# Allegro board LAY-38820_A.brd (continued)
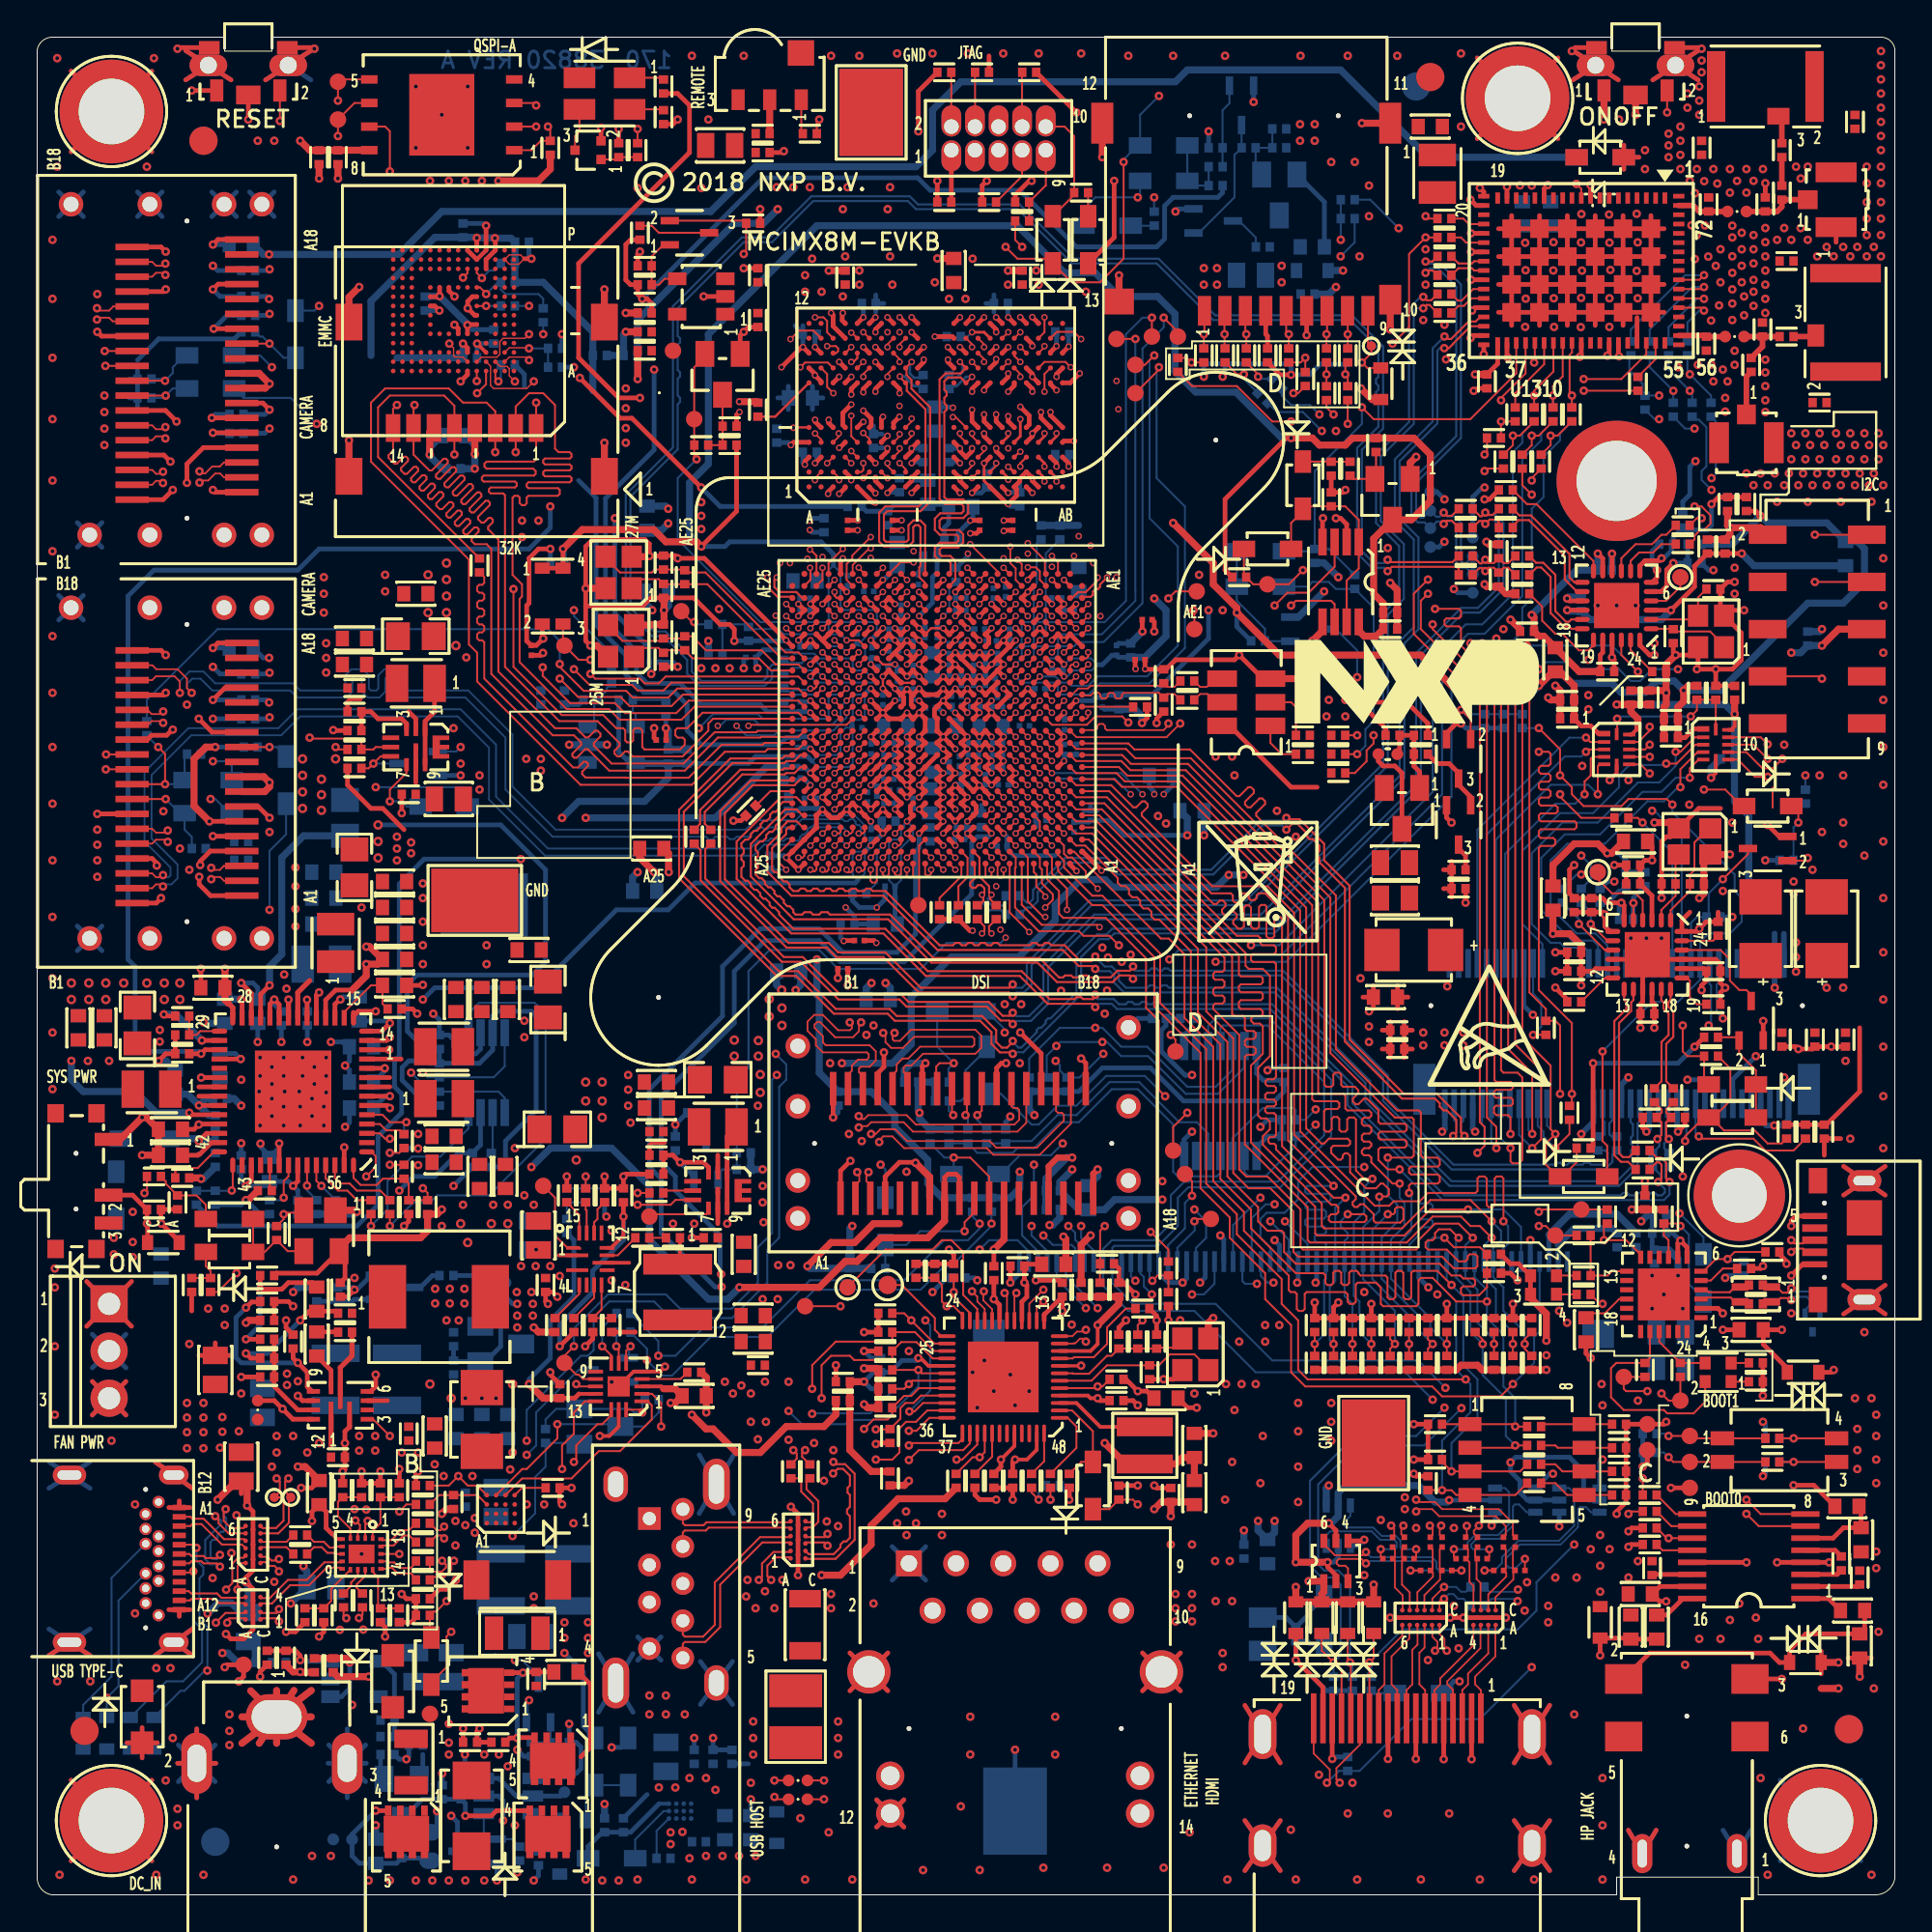
[diagram p0: board, top side]
## Routing (per net, layer and track width the routed paths; a pad name or vN(x,y) marks a point on that pad's centre or on a via; arc(x,y) is an arc through that point) (continued)
I2C3_SDA: length 112.8
  TOP w0.107: U101.E9 v2(51.37,58.43) ; v1(71.06,62.42) R306.2
  L6_INT_2 w0.076: v2(51.37,58.43) 51.7,58.76 52.16,58.76 52.35,58.95 52.35,59.22 52.54,59.41 55.95,59.41 56.93,60.39 61.53,60.39 62.55,59.37 64.83,59.37 67.88,62.42 v1(71.06,62.42)
  L8_INT_3 w0.076: v1(75.12,26.66) 75.12,28.03 76.39,29.3 76.39,32.07 76.77,32.45 76.77,32.96 75.25,34.48 75.25,35.62 75.88,36.26 75.88,39.05 74.74,40.19 74.74,41.85 76.33,43.43 76.33,46.74 76.77,47.18 76.77,51.62 75.5,52.89 75.5,54.16 73.72,55.94 73.72,57.97 71.56,60.13 71.56,61.91 v1(71.06,62.42)
  BOTTOM w0.107: v1(75.12,26.66) 73.65,28.13 65.59,28.13 62.29,31.43 58.74,31.43 57.38,32.79 J1801.51 57.38,34.77 57.85,35.24 60.13,35.24 61.02,36.13 61.02,37.65 61.76,38.39 66.79,38.39 69.28,40.88 69.28,43.75 66.23,46.8 63.82,46.8 63.69,46.67 U1501.11
ILIM: length 3.5
  TOP w0.107: R924.1 21.64,21.52 R925.1 23.7,21.52 U906.A3
ILIM_5V_VBUS: length 1.7
  TOP w0.107: v1(31.94,29.53) 31.71,29.29 U907.6
  BOTTOM w0.107: v1(31.94,29.53) 31.86,29.44 Q905.2
IPOD_NRST: length 58
  TOP w0.107: J801.8 95.95,65.59 v1(96.07,65.47)
  L8_INT_3 w0.076: v1(70.17,88.2) 71.18,87.18 71.18,84.64 74.61,81.22 74.61,79.06 75.37,78.29 75.37,76.14 76.26,75.25 76.26,70.93 77.61,69.58 80.53,69.58 80.96,69.15 80.96,68.26 82.74,66.48 82.74,63.82 86.8,59.75 87.18,59.75 87.82,59.12 89.22,59.12 89.47,58.86 93.79,58.86 v1(95.19,60.26) 96.07,61.15 v1(96.07,65.47)
  BOTTOM w0.107: R844.1 v1(95.19,60.26) ; v1(70.17,88.2) 70.92,88.96 R310.2
IR_CAP: length 81.2
  TOP w0.107: U101.L7 v2(52.67,61.68) ; R1615.1 41.97,95.43 v1(42.1,95.57)
  L6_INT_2 w0.076: v1(42.1,95.57) 45.15,98.61 56.32,98.61 63.69,91.25 70.17,91.25 73.89,87.53 73.89,78.59 72.2,76.9 72.2,68.77 67.12,63.69 58.1,63.69 57.29,62.88 55.87,62.88 55.74,63 53.48,63 53,62.52 53,62.01 v2(52.67,61.68)
JTAG_MOD: length 8.5
  TOP w0.107: U101.U7 v2(52.67,66.23)
  BOTTOM w0.102: R410.1 54.3,72.21 54.3,68.7 54.1,68.51 53.84,68.51 53.65,68.32 53.65,67.4 53.46,67.21 53.2,67.21 53,67.02 53,66.56 v2(52.67,66.23)
JTAG_NTRST: length 41.5
  TOP w0.107: U101.U6 v2(52.67,65.58) ; v1(53.02,88.71) 52.65,89.08 R418.2 ; TP402.1 60.39,82.1 v1(60.39,82.23)
  L8_INT_3 w0.076: v1(60.39,82.23) 60.64,82.49 60.64,83.37 55.31,88.71 v1(53.02,88.71)
  BOTTOM w0.102: 57.21,65.21 56.61,64.61 55.14,64.61 54.95,64.8 54.95,65.07 54.76,65.26 53,65.26 v2(52.67,65.58)
  BOTTOM w0.107: v1(60.39,82.23) 60.26,82.1 60.26,76.26 61.78,74.74 61.78,67.12 59.88,65.21 57.21,65.21
JTAG_TCK: length 58.4
  TOP w0.107: v1(60.13,82.87) 59.63,82.36 TP405.1 ; U101.T5 v2(53.97,65.58) ; J401.4 50.49,95.19 R408.1
  L6_INT_2 w0.076: v1(60.13,82.87) 59.24,82.87 58.61,83.5 58.61,84.39 58.86,84.64 58.86,87.44 55.82,90.49 48.45,90.49 46.93,92.01 46.93,95.95 47.81,96.84 50.1,96.84 50.48,96.46 J401.4
  BOTTOM w0.102: v2(53.97,65.58) 54.81,65.58 55.14,65.26 55.52,65.26 55.69,65.09 56.58,65.09
  BOTTOM w0.107: 56.58,65.09 57.09,65.59 59.75,65.59 61.4,67.25 61.4,72.58 59.88,74.1 59.88,82.61 v1(60.13,82.87)
JTAG_TDI: length 43.6
  TOP w0.107: R403.2 53.02,98.09 53.02,95.19 J401.8 ; TP403.1 v1(60.01,84.9) ; U101.W5 v2(53.97,67.53)
  L6_INT_2 w0.076: v1(60.01,84.9) 60.01,87.95 55.43,92.52 55.43,96.33 55.05,96.71 53.15,96.71 53.02,96.58 J401.8
  BOTTOM w0.102: v2(53.97,67.53) 54.3,67.86 54.3,68.32 54.49,68.51 57.46,68.51 58.61,69.66 58.61,70.29
  BOTTOM w0.107: v1(60.01,84.9) 59.5,84.9 58.61,84.01 58.61,70.29
JTAG_TDO: length 44.4
  TOP w0.107: U101.U5 v2(53.97,66.23) ; TP406.1 61.4,84.14 v1(60.64,84.9)
  L6_INT_2 w0.076: v1(60.64,84.9) 60.64,88.07 56.58,92.14 56.58,96.07 55.56,97.09 52.26,97.09 51.75,96.58 J401.6
  BOTTOM w0.102: v2(53.97,66.23) 54.3,66.56 54.76,66.56 54.95,66.75 54.95,67.02 55.15,67.21 55.82,67.21 56.05,67.44 57.41,67.44
  BOTTOM w0.107: v1(60.64,84.9) 60.64,84.38 59.5,83.24 59.5,69.53 57.41,67.44
JTAG_TMS: length 48
  TOP w0.107: R402.2 49.21,95.19 J401.2 ; TP404.1 v1(59.12,83.76) ; U101.V5 v2(53.32,66.23)
  L6_INT_2 w0.076: J401.2 48.32,95.19 47.56,94.42 47.56,92.26 48.58,91.25 55.82,91.25 59.37,87.69 59.37,84.01 v1(59.12,83.76)
  BOTTOM w0.102: 59.12,70.17 59.12,69.66 57.32,67.86 55.14,67.86 54.95,67.67 54.95,67.38 54.78,67.21 53.84,67.21 53.65,67.02 U101.V5 v2(53.32,66.23)
  BOTTOM w0.107: v1(59.12,83.76) 59.12,70.17
LED_ACT: length 47.9
  TOP w0.107: U1201.23 50.21,31.33 49.34,32.19 v1(49.34,32.45) C1217.1 ; R1202.1 v1(39.69,6.16) ; v1(57.47,36) 57.22,35.76 R1216.1 57.21,33.97 R1215.1
  L8_INT_3 w0.076: v1(57.47,36) 57.21,35.75 57.21,35.11 55.69,33.59 50.48,33.59 v1(49.34,32.45) 48.96,32.45 48.45,31.94 48.45,30.8 47.94,30.29 46.54,30.29 46.04,29.78 46.04,22.92 44.77,21.65 44.77,18.86 44,18.1 44,14.96 39.69,10.64 v1(39.69,6.16)
LED_LINK10_100: length 55.3
  TOP w0.107: C1219.1 46.67,31.3 v1(47.05,30.92) 48.3,29.68 U1201.26
  L8_INT_3 w0.076: J1201.14 57.46,2.48 41.46,2.48 39.18,4.76 39.18,10.86 43.5,15.18 43.5,18.22 44.39,19.11 44.39,21.91 45.66,23.18 45.66,30.03 46.54,30.92 v1(47.05,30.92)
LED_LINK1000: length 36
  TOP w0.107: R1221.1 C1218.1 48.7,32.84 48.7,31.94 v1(48.96,31.69) 49.34,31.69 49.81,31.22 U1201.24 ; R1203.1 39.81,5.14 v1(39.69,5.27)
  L8_INT_3 w0.076: v1(48.96,31.69) 48.96,30.67 48.2,29.91 46.8,29.91 46.42,29.53 46.42,22.54 45.15,21.27 45.15,18.61 44.51,17.97 44.51,14.75 40.19,10.43 40.19,5.78 v1(39.69,5.27)
LINEVDD: length 4.4
  TOP w0.254: U1101.6 96.67,19.2 97.23,19.76 C1101.1 98.18,20.8 L1104.1
LINK / ACTIVE: length 20.2
  TOP w0.107: R1203.2 v1(42.35,5.14)
  L8_INT_3 w0.076: J1201.13 55.94,2.98 44.51,2.98 v1(42.35,5.14)
LINKACT: length 4.6
  TOP w0.107: R1202.2 v1(42.35,6.16)
  L8_INT_3 w0.076: 45.92,6.41 42.61,6.41 v1(42.35,6.16)
M2_I2C_SCL: length 228.6
  TOP w0.107: J1502.B11 v1(3.63,83.1)
  L6_INT_2 w0.076: v1(68.82,42.28) 83.04,42.28 85.91,45.15 87.69,45.15 89.85,47.31 90.61,47.31 v1(90.74,47.18) 90.99,46.93 90.99,44.77 88.33,42.1 86.8,42.1 85.26,40.55 85.26,31.33 93.41,23.18 93.41,20.51 91.5,18.6 88.96,18.6 84.06,13.7 43.42,13.7 40.83,11.11 40.83,10.1 38.75,8.01 37.86,8.01 37.4,7.56 32.96,7.56 31.81,8.7 29.91,8.7 28.61,9.99 25.56,9.99 24.07,11.49 22.67,11.49 11.8,22.36 11.8,24.78 9.97,26.61 9.97,27.11 7.05,30.03 7.05,32.32 5.65,33.72 5.65,35.24 4.25,36.64 4.25,43.75 3.24,44.77 3.24,49.47 3.85,50.08 3.85,58.25 2.86,59.24 2.86,62.8 3.87,63.82 3.87,76.77 3.11,77.53 3.11,82.58 v1(3.63,83.1)
  BOTTOM w0.107: J1401.60 90.53,49.12 90.41,49.01 90.41,47.51 v1(90.74,47.18) ; v1(68.82,42.28) 68.26,41.72 R1523.2 67.75,42.23 67.63,42.35 65.98,42.35 64.34,40.72 U1501.3
M2_I2C_SDA: length 224.3
  TOP w0.107: J1502.B10 v1(3.67,82.3)
  L6_INT_2 w0.076: v1(68.82,41.46) 69.2,41.85 83.63,41.85 85.28,43.5 86.42,43.5 89.72,46.8 v1(89.98,46.8) 90.49,46.29 90.49,44.89 88.33,42.73 86.8,42.73 84.9,40.83 84.9,31.18 90.87,25.21 90.87,23.68 92.65,21.91 92.65,20.38 91.76,19.49 89.22,19.49 83.76,14.03 43.24,14.03 40.07,10.86 39.31,10.86 38.04,9.59 38.04,8.83 37.15,7.94 33.08,7.94 31.69,9.33 29.91,9.33 28.26,10.98 25.21,10.98 24.07,12.13 22.54,12.13 16.45,18.22 16.45,19.11 14.67,20.89 13.78,20.89 12.18,22.49 12.18,24.94 10.37,26.75 10.37,28.24 7.68,30.92 7.68,32.32 6.03,33.97 6.03,35.24 4.63,36.64 4.63,47.05 4.2,47.48 4.2,49.77 4.15,49.82 4.15,58.58 3.24,59.5 3.24,62.61 4.25,63.63 4.25,81.72 v1(3.67,82.3)
  BOTTOM w0.107: v1(68.82,41.46) 68.19,40.83 R1522.2 67.75,40.32 66.13,38.7 65.19,38.7 64.99,38.89 U1501.2 ; v1(89.98,46.8) 90.11,46.93 90.11,48.96 90.03,49.04 J1401.58
M2_PCM_CLK: length 16.2
  TOP w0.107: U1402.2 83.61,62.06 v1(83.37,62.29)
  BOTTOM w0.107: J1401.8 77.53,57.33 82.49,62.29 v1(83.37,62.29)
M2_PCM_IN: length 15.5
  TOP w0.107: U1402.5 84.12,60.86 84.01,60.75 v1(84.01,59.24)
  BOTTOM w0.107: v1(84.01,59.24) 83.5,59.75 81.47,59.75 78.53,56.81 J1401.12
M2_PCM_OUT: length 14.3
  TOP w0.107: v1(83.3,59.24) 83.3,59.93 83.63,60.26 83.63,61.15 83.74,61.26 U1402.4
  BOTTOM w0.107: v1(83.3,59.24) 82.79,58.74 81.72,58.74 79.03,56.04 J1401.14
M2_PCM_SYNC: length 15.2
  TOP w0.107: U1402.3 83.5,61.66 v1(83.37,61.53)
  BOTTOM w0.107: v1(83.37,61.53) 83.12,61.28 82.23,61.28 78.03,57.07 J1401.10
M2_SD_CLK: length 54.1
  TOP w0.107: v1(74.87,70.8) 74.1,70.04 74.1,67.88 77.66,64.32 77.66,41.59 77.91,41.34 77.91,40.32 v1(77.53,39.94) ; v1(67.63,80.83) 67.87,80.83 R1429.2
  L8_INT_3 w0.076: v1(67.63,80.83) 69.15,82.36 70.67,82.36 72.03,81.01 72.91,81.01 73.75,80.17 73.75,76.62 74.48,75.88 74.48,71.18 v1(74.87,70.8)
  BOTTOM w0.107: J1401.9 77.78,41.48 77.91,41.34 77.91,40.32 v1(77.53,39.94)
M2_SD_CMD: length 54.4
  TOP w0.107: v1(78.55,40.19) 78.55,41.34 78.04,41.85 78.04,64.58 74.48,68.13 74.48,69.66 v1(74.87,70.04)
  L8_INT_3 w0.076: v1(74.87,70.04) 74.05,70.85 74.05,75.3 73.37,75.98 73.37,78.63 73.29,78.71 72.91,78.71 72.83,78.78 72.83,79.14 72.91,79.21 73.12,79.21 73.21,79.31 73.21,79.97 72.85,80.33 72.38,80.33 72.29,80.24 72.29,79.65 72.2,79.56 71.9,79.56 71.81,79.65 71.81,80.24 71.46,80.58 69.91,80.58 v1(69.02,79.69)
  BOTTOM w0.107: R1430.2 67,80.7 67.5,80.2 68.52,80.2 v1(69.02,79.69) ; J1401.11 78.28,40.47 v1(78.55,40.19)
M2_SD_DAT0: length 54.1
  TOP w0.107: v1(79.31,40.19) 79.31,39.49 79.42,39.38 79.77,39.38 79.95,39.56 79.95,44 79.69,44.26 78.93,44.26 78.8,44.39 78.8,65.09 76.64,67.25 76.64,68.18 76.54,68.28 75.86,68.28 75.75,68.39 75.75,68.6 75.86,68.71 76.54,68.71 76.64,68.82 76.64,69.12 76.54,69.23 v1(75.25,69.23) ; v1(69.79,79.69) 69.4,80.07 R1431.2
  L8_INT_3 w0.076: v1(69.79,79.69) 70.93,79.69 71.74,78.88 71.85,78.88 71.93,78.96 72.04,78.96 72.15,78.85 72.15,78.74 72.07,78.66 72.07,78.55 72.18,78.45 72.28,78.45 72.37,78.53 72.47,78.53 72.58,78.42 72.58,78.31 72.5,78.23 72.5,78.12 72.96,77.66 72.96,75.75 73.67,75.04 73.67,74.67 73.6,74.59 73.42,74.59 73.34,74.52 73.34,74.37 73.42,74.29 73.6,74.29 73.67,74.21 73.67,70.47 74.92,69.23 v1(75.25,69.23)
  BOTTOM w0.107: v1(79.31,40.19) 78.78,40.73 J1401.13
M2_SD_DAT1: length 54
  TOP w0.107: R1432.2 v1(70.55,79.18) ; v1(75.12,68.39) 75.12,68.13 78.45,64.81 78.45,43.87 78.55,43.76 79.33,43.76 79.44,43.65 79.44,43.44 79.33,43.33 78.53,43.33 78.42,43.23 78.42,43.01 78.53,42.91 79.33,42.91 79.44,42.8 79.44,42.59 79.33,42.48 78.53,42.48 78.42,42.37 78.42,42.1 78.55,41.97 79.18,41.97 79.31,41.85 v1(79.31,40.96)
  L8_INT_3 w0.076: v1(70.55,79.18) 70.55,78.42 70.75,78.22 70.87,78.22 71.25,78.61 71.38,78.61 71.51,78.48 71.51,78.35 71.12,77.97 71.12,77.85 71.25,77.72 71.38,77.72 71.76,78.1 71.88,78.1 72.01,77.98 72.01,77.85 71.63,77.47 71.63,77.34 71.75,77.22 71.88,77.22 72.26,77.6 72.39,77.6 72.51,77.47 72.51,77.35 72.13,76.97 72.13,76.42 72.05,76.34 71.77,76.34 71.69,76.27 71.69,75.99 71.77,75.91 72.18,75.91 72.26,75.84 72.26,75.56 72.18,75.48 71.77,75.48 71.69,75.4 71.69,75.12 71.77,75.05 72.02,75.05 73.29,73.77 73.29,70.22 v1(75.12,68.39)
  BOTTOM w0.107: J1401.15 79.28,40.99 v1(79.31,40.96)
M2_SD_DAT2: length 56.5
  TOP w0.107: v1(80.48,40.19) 80.96,40.68 80.96,44.39 79.56,45.78 79.56,65.72 v1(78.68,66.61) ; v1(67.5,79.31) 66.48,79.31 64.58,81.22 62.17,81.22 R1433.2
  L8_INT_3 w0.076: v1(78.68,66.61) 75.75,66.61 71.56,70.8 71.56,73.72 69.91,75.37 69.91,76.26 68.39,77.79 68.39,78.42 v1(67.5,79.31)
  BOTTOM w0.107: v1(80.48,40.19) 79.78,40.9 J1401.17
M2_SD_DAT3: length 54.1
  TOP w0.107: v1(80.48,40.96) 80.48,44.23 79.18,45.53 79.18,65.34 v1(77.15,67.37)
  L8_INT_3 w0.076: v1(77.15,67.37) 76.42,67.37 76.34,67.45 76.34,67.68 76.26,67.75 75.99,67.75 75.91,67.68 75.91,67.45 75.83,67.37 75.48,67.37 72.07,70.78 72.07,73.85 71.06,74.87 71.06,76.01 70.73,76.34 70.73,76.47 71.23,76.97 71.23,77.1 71.11,77.23 70.98,77.23 70.47,76.72 70.35,76.72 70.22,76.84 70.22,76.97 70.73,77.48 70.73,77.6 70.61,77.73 70.48,77.73 69.97,77.22 69.85,77.22 69.72,77.35 69.72,77.47 70.23,77.98 70.23,78.11 70.1,78.23 69.98,78.23 69.47,77.72 69.34,77.72 69.15,77.91 69.15,78.04 v1(69.15,78.8)
  BOTTOM w0.107: R1434.2 66.74,79.82 68.13,79.82 v1(69.15,78.8) ; J1401.19 80.28,41.16 v1(80.48,40.96)
M2_SD_NRST: length 84.2
  TOP w0.107: R1464.2 82.87,39.44 82.1,38.67 D1404.A 81.85,38.67 81.22,39.31 81.22,40.45 v1(81.72,40.96) 81.47,41.21 81.47,44.64 79.95,46.16 79.95,66.1 v1(79.44,66.61)
  L8_INT_3 w0.076: v1(60.13,91.38) 60.13,90.62 60.04,90.53 59.46,90.53 59.37,90.44 59.37,90.18 59.46,90.09 60.06,90.09 60.13,90.01 60.13,89.72 60.06,89.64 59.46,89.64 59.37,89.56 59.37,89.29 59.46,89.2 60.04,89.2 60.13,89.11 60.13,88.87 60.04,88.78 59.46,88.78 59.37,88.69 59.37,88.42 59.46,88.34 60.04,88.34 60.13,88.25 60.13,87.98 60.04,87.89 59.46,87.89 59.37,87.8 59.37,87.54 59.46,87.45 60.04,87.45 60.13,87.36 60.13,86.18 61.28,85.03 61.28,82.61 63.18,80.71 64.45,80.71 68.08,77.08 68.08,76.95 67.35,76.22 67.35,76.04 67.54,75.84 67.72,75.84 68.53,76.65 68.64,76.65 68.91,76.38 68.91,76.27 68.35,75.71 68.35,75.53 68.54,75.35 68.71,75.35 69.14,75.78 69.25,75.78 69.5,75.53 69.5,75.42 69.07,75 69.07,74.82 69.25,74.64 69.43,74.64 69.67,74.87 69.78,74.87 71.06,73.6 71.06,72.01 70.98,71.93 70.37,71.93 70.29,71.86 70.29,71.58 70.37,71.5 70.98,71.5 71.06,71.42 71.06,71.17 70.48,70.59 70.48,70.49 70.59,70.38 70.7,70.38 71.04,70.71 71.14,70.71 71.25,70.61 71.25,70.5 70.91,70.16 70.91,70.05 71.02,69.95 71.13,69.95 71.47,70.28 71.57,70.28 75.75,66.1 78.93,66.1 v1(79.44,66.61)
  BOTTOM w0.107: R1436.2 60.13,90.61 v1(60.13,91.38) ; J1401.23 81.28,41.41 v1(81.72,40.96)
M2_SD_WAKE: length 4.6
  TOP w0.107: R1435.2 82.49,40.96 v1(81.72,40.19)
  BOTTOM w0.107: v1(81.72,40.19) 81.09,40.83 81.09,41.08 80.78,41.4 J1401.21
M2_UART_CTS: length 18.6
  TOP w0.107: v1(88.45,59.63) 88.45,60.59 89.38,61.51 U1403.4
  BOTTOM w0.107: J1401.36 84.53,51.11 83.88,51.75 82.87,51.75 81.47,53.15 81.47,55.69 82.36,56.58 84.39,56.58 86.68,58.86 87.57,58.86 88.33,59.63 v1(88.45,59.63)
M2_UART_RTS: length 18.8
  TOP w0.107: v1(88.96,60.13) 88.96,60.64 89.43,61.11 U1403.5
  BOTTOM w0.107: v1(88.96,60.13) 88.2,60.13 87.44,59.37 86.42,59.37 84.14,57.09 82.23,57.09 80.96,55.82 80.96,53.02 82.61,51.37 83.76,51.37 84.03,51.1 J1401.34
M2_UART_RXD: length 19
  TOP w0.107: v1(87.69,60.9) 88.25,60.9 89.27,61.91 U1403.3
  BOTTOM w0.107: v1(87.69,60.9) 87.62,60.82 85.71,60.82 85.15,60.26 85.15,59.63 83.76,58.23 81.98,58.23 79.95,56.2 79.95,52.26 81.03,51.18 J1401.22
M2_UART_TXD: length 20.4
  TOP w0.107: v1(88.2,61.53) 88.45,61.53 89.24,62.31 U1403.2
  BOTTOM w0.107: v1(88.2,61.53) 88.2,60.77 87.31,59.88 86.17,59.88 84.01,57.72 82.1,57.72 80.45,56.07 80.45,52.26 81.47,51.24 81.98,51.24 82.23,50.99 83.29,50.99 83.53,50.76 J1401.32
M2_USB_DN: length 41.6
  TOP w0.114: v1(76.83,40.85) 76.64,41.04 76.64,41.82 75.35,43.12 73.57,43.12 70.65,46.04 70.65,54.32 69.28,55.69 69.28,56.58 67.96,57.9 67.32,57.9 v1(67.25,57.97)
  BOTTOM w0.114: R1417.2 53.27,53.4 53.42,53.4 53.61,53.59 53.61,54.09 55.33,55.82 57.57,55.82 58.21,55.18 63.2,55.18 65.84,57.82 67.09,57.82 v1(67.25,57.97) ; J1401.5 76.78,41.67 76.65,41.55 76.65,41.03 v1(76.83,40.85)
M2_USB_DP: length 41.6
  TOP w0.114: v1(67.25,57.34) 67.55,57.64 67.85,57.64 68.37,57.12 68.37,56.95 68.49,56.83 68.66,56.83 69.02,56.47 69.02,56.2 68.94,56.11 68.94,55.9 69.02,55.82 69.02,55.58 70.4,54.21 70.4,45.94 73.47,42.86 75.25,42.86 75.5,42.61 75.5,42.43 75.7,42.23 75.88,42.23 76.39,41.72 76.39,41.02 76.35,40.98 v1(76.22,40.85)
  BOTTOM w0.114: R1418.2 53.27,53.15 53.52,53.15 53.86,53.49 53.86,53.99 55.43,55.56 57.47,55.56 58.1,54.93 63.31,54.93 65.95,57.57 67.02,57.57 v1(67.25,57.34) ; J1401.3 76.28,41.71 76.4,41.58 76.4,41.03 v1(76.22,40.85)
MDC: length 4.2
  TOP w0.107: R1209.2 55.94,24.06 55.94,25.21 55.48,25.68 U1201.1
MDIO: length 2.5
  TOP w0.107: R1210.2 54.21,23.34 U1201.48
NAND_CLE: length 158.1
  TOP w0.107: U101.H21 v2(42.93,59.73)
  L6_INT_2 w0.076: v1(8.19,55.18) 8.19,58.86 10.1,60.77 10.1,67.5 11.05,68.45 11.05,76.33 16.45,81.72 16.45,88.84 21.02,93.41 42.35,93.41 46.42,97.47 55.82,97.47 64.2,89.09 v1(70.17,89.09) ; v1(38.8,42.48) 37.02,44.26 37.02,46.29 37.4,46.67 37.4,55.56 40.6,58.76 41.79,58.76 41.95,58.92 41.95,59.24 42.11,59.41 42.39,59.41 42.72,59.73 v2(42.93,59.73)
  L8_INT_3 w0.076: v1(38.8,42.48) 35.5,42.48 32.57,45.4 30.42,45.4 26.25,49.57 17.36,49.57 15.43,51.5 13.4,51.5 12,52.89 9.84,52.89 8.19,54.55 v1(8.19,55.18)
  BOTTOM w0.107: R309.1 R310.1 v1(70.17,89.09)
NAND_DATA0: length 65.7
  TOP w0.107: U603.5 16.32,97.73 TP602.1 v1(16.19,96.58) ; U101.G20 v2(43.58,59.08)
  L8_INT_3 w0.076: v2(43.58,59.08) 43.25,58.76 41.32,58.76 41.16,58.91 26.3,58.91 22.92,62.29 22.03,62.29 21.27,63.05 21.27,64.07 18.16,67.18 18.16,69.21 17.84,69.53 17.84,75.37 15.68,77.53 15.68,95.35 15.81,95.47 16.7,95.47 16.83,95.6 16.83,95.85 16.7,95.98 15.81,95.98 15.68,96.11 15.68,96.46 15.81,96.58 v1(16.19,96.58)
NAND_DATA1: length 66.6
  TOP w0.107: v1(26.86,95.19) U603.2 ; U101.J20 v2(43.58,60.38)
  L8_INT_3 w0.076: v1(26.86,95.19) 26.73,95.31 20.76,95.31 17.4,91.95 17.4,87.34 16.87,86.8 16.87,79.53 17.82,78.57 17.82,76.87 19.15,75.54 19.15,71.86 19.54,71.46 19.54,69.71 19.37,69.53 19.37,67.47 26.83,60.01 39.81,60.01 40.32,60.51 40.96,60.51 41.15,60.71 41.78,60.71 41.95,60.54 41.95,60.24 42.13,60.06 43.25,60.06 v2(43.58,60.38)
NAND_DATA2: length 66.3
  TOP w0.107: U101.H22 v2(42.28,59.73) ; v1(26.86,96.33) 26.73,96.46 U603.3
  L8_INT_3 w0.076: v2(42.28,59.73) 42.12,59.73 41.79,60.06 40.37,60.06 39.94,59.63 26.73,59.63 18.99,67.37 18.99,69.66 19.19,69.86 19.19,71.31 18.77,71.73 18.77,75.41 17.46,76.72 17.46,78.29 16.45,79.31 16.45,87.18 17.02,87.76 17.02,92.2 21.15,96.33 v1(26.86,96.33)
NAND_DATA3: length 65
  TOP w0.107: U101.J21 v2(42.93,60.38) ; v1(18.99,92.77) 18.99,94.93 18.73,95.19 U603.7
  L8_INT_3 w0.076: v2(42.93,60.38) 42.6,60.71 42.13,60.71 41.92,60.92 40.86,60.92 40.7,60.77 40.07,60.77 39.69,60.39 31.69,60.39 31.05,61.02 30.76,61.02 30.64,60.9 30.64,60.51 30.51,60.39 30.25,60.39 30.13,60.51 30.13,60.9 30,61.02 29.75,61.02 29.62,60.9 29.62,60.51 29.49,60.39 29.24,60.39 29.11,60.51 29.11,60.9 28.98,61.02 28.73,61.02 28.6,60.9 28.6,60.51 28.48,60.39 28.22,60.39 28.1,60.51 28.1,60.8 27.24,61.66 25.72,61.66 22.8,64.58 19.75,67.63 19.75,69.4 19.86,69.52 19.86,71.72 19.5,72.08 19.5,75.76 18.24,77.03 18.24,78.92 17.28,79.87 17.28,82.28 17.92,82.92 17.92,89.61 18.04,89.74 19.11,89.74 19.24,89.86 19.24,90.12 19.11,90.25 18.04,90.25 17.92,90.37 17.92,90.63 18.04,90.75 19.11,90.75 19.24,90.88 19.24,91.13 19.11,91.26 18.04,91.26 17.92,91.39 17.92,91.7 v1(18.99,92.77)
NAND_DATA4: length 62.8
  TOP w0.107: U101.L20 v2(43.58,61.68)
  L6_INT_2 w0.076: v2(43.58,61.68) 43.39,61.68 43.07,62.01 39.66,62.01 34.99,57.34 34.99,54.29 30.67,49.97 30.67,46.93 37.6,39.99 37.6,35.55 39.81,33.34 47.05,33.34 48.96,35.24 51.62,35.24 53.28,33.59 54.44,33.59 v1(56.45,31.58)
  BOTTOM w0.107: v1(56.45,31.58) 54.88,33.16 J1801.56
NAND_DATA5: length 46.8
  TOP w0.107: U101.J22 v2(42.28,60.38)
  L6_INT_2 w0.076: v1(53.53,36) 52.23,37.3 48.65,37.3 46.84,35.5 40.45,35.5 39.56,36.38 39.56,40.32 36.26,43.62 36.26,46.67 36.64,47.05 36.64,55.82 40.88,60.06 41.8,60.06 42.12,60.38 v2(42.28,60.38)
  BOTTOM w0.107: v1(53.53,36) 53.53,35.5 54.38,34.65 J1801.57
NAND_DATA6: length 48.8
  TOP w0.107: U101.L19 v2(44.23,61.68)
  L6_INT_2 w0.076: v2(44.23,61.68) 43.9,61.36 43.9,59.6 43.7,59.41 42.77,59.41 42.61,59.24 42.61,58.86 42.5,58.76 42.12,58.76 41.85,58.48 40.83,58.48 37.78,55.43 37.78,46.54 38.01,46.32 38.01,44.28 38.62,43.67 41.67,43.67 43.27,42.07 43.27,39.03 44.51,37.78 47.94,37.78 48.32,38.16 50.99,38.16 52.39,39.56 53.4,39.56 v1(53.66,39.31)
  BOTTOM w0.107: J1801.58 53.88,34.64 53.02,35.5 53.02,37.02 53.66,37.65 v1(53.66,39.31)
NAND_DATA7: length 58.5
  TOP w0.107: U101.M19 v2(44.23,62.33)
  L6_INT_2 w0.076: v2(44.23,62.33) 43.9,62.01 43.44,62.01 43.25,62.21 43.25,62.54 43.11,62.68 41.47,62.68 41.08,62.29 39.43,62.29 34.61,57.47 34.61,54.67 30.29,50.35 30.29,46.8 36.64,40.45 36.64,36 39.69,32.96 47.43,32.96 48.58,34.1 50.1,34.1 v1(50.74,34.73)
  BOTTOM w0.107: J1801.59 53.38,34.63 52.77,35.24 51.24,35.24 v1(50.74,34.73)
NAND_NCE3: length 47.9
  TOP w0.107: U101.H20 v2(43.58,59.73)
  L6_INT_2 w0.076: v1(56.2,36) 54.55,37.65 48.45,37.65 48.2,37.4 40.45,37.4 39.94,37.91 39.94,40.58 36.64,43.88 36.64,46.42 37.02,46.8 37.02,55.69 40.74,59.41 41.71,59.41 41.72,59.41 41.76,59.41 41.95,59.6 41.95,59.64 41.95,59.65 41.95,59.89 42.12,60.06 43.25,60.06 v2(43.58,59.73)
  BOTTOM w0.107: v1(56.2,36) 56.2,35.37 56.88,34.69 J1801.52
NAND_NREADY: length 62.2
  TOP w0.107: U101.K20 v2(43.58,61.03)
  L6_INT_2 w0.076: v1(57.09,31.58) 54.7,33.97 53.4,33.97 51.75,35.62 50.63,35.62 50,36.26 49.47,36.26 47.56,34.35 39.31,34.35 37.93,35.72 37.93,40.17 31.05,47.05 31.05,49.72 35.5,54.16 35.5,57.21 39.64,61.36 43.25,61.36 v2(43.58,61.03)
  BOTTOM w0.107: v1(57.09,31.58) 55.38,33.29 J1801.55
NAND_NWE: length 53
  TOP w0.107: U101.K22 v2(42.28,61.03)
  L6_INT_2 w0.076: v1(55.51,36) 55.18,36 54.8,35.62 54.8,35.37 54.42,34.99 53.28,34.99 51.62,36.64 49.21,36.64 47.31,34.73 39.43,34.73 38.26,35.9 38.26,40.47 35.5,43.24 35.5,46.93 35.88,47.31 35.88,56.96 39.95,61.03 v2(42.28,61.03)
  BOTTOM w0.107: J1801.53 56.38,34.76 55.88,35.26 55.88,35.64 v1(55.51,36)
NAND_NWP: length 50.4
  TOP w0.107: U101.K21 v2(42.93,61.03)
  L6_INT_2 w0.076: v1(54.16,35.5) 53.28,35.5 51.8,36.97 49.03,36.97 47.18,35.11 39.56,35.11 38.59,36.08 38.59,40.78 35.88,43.5 35.88,46.8 36.26,47.18 36.26,55.94 41.02,60.71 42.6,60.71 v2(42.93,61.03)
  BOTTOM w0.107: J1801.54 55.88,34.8 55.69,34.99 54.67,34.99 v1(54.16,35.5)
NRST: length 5
  TOP w0.107: D701.A D702.A 12.25,34.61 R716.1 13.49,34.65 U704.3
NRST_99512133: length 6.5
  TOP w0.107: J401.10 55.31,95.19 55.82,94.67 R404.2 55.82,91.51 D401.C
NVCC_1V8: length 332.1
  TOP w0.203: U901.5 16.15,19.15 15.87,19.43
  TOP w0.254: U101.L23 v2(41.63,62.33) U101.M23 ; U1403.1 89.18,62.76 88.71,62.29 C1436.1 ; U601.M4 U601.N4 U601.P3 24.66,89.16 v1(24.64,89.18) ; J1502.A6 v1(9.4,79.51) ; 15.87,19.43 15.56,19.75 15.56,20.62 C901.1 14.79,20.62 v1(14.79,20.13) ; U201.F12 44.8,84.59 v2(45.12,84.92) ; J1503.A5 v1(9.46,56.99) ; U201.G9 v2(45.12,82.52) ; U601.P5 v1(23.66,89.2) ; J1502.A5 v1(9.46,78.7) ; R1464.1 83.76,40.33 v1(83.76,44.77) ; U201.F1 44.8,75.77 v2(45.12,75.45) ; R908.1 15.43,14.16 v1(15.18,13.91) ; U201.G4 45.45,78.22 v2(45.77,78.54) ; U201.T4 50.97,78.52 v2(50.97,78.67) ; U201.U1 v2(52.27,75.47) ; U201.T9 51.62,82.52 v2(51.62,82.67) ; C1431.1 83.11,62.93 83.63,62.93 84.05,62.51 U1402.1 ; R1419.1 89.72,46.16 v1(89.22,45.66) ; U601.C6 23.17,83.26 v1(22.92,83.5) ; v1(19.62,16.19) 19.87,15.94 C902.1 R901.1 20.39,14.92 20.14,14.67 R907.1 ; R1347.1 92.51,74.49 v1(92.77,74.23) ; v1(18.48,22.8) R905.1 R906.1 v1(17.46,22.8) ; J1503.A6 v1(9.27,57.79) ; U201.U12 v2(51.62,84.92)
  TOP w0.381: v1(9.27,57.79) 8.44,58.62 8.44,61.15 9.08,61.78 v1(9.59,61.78) ; v1(80.83,65.09) 81.58,65.83 L1306.1 81.99,65.83 82.73,65.09 C1432.1 C1431.1 ; v1(61.15,73.85) 63.31,71.69 63.31,70.55 64.58,69.28 v1(64.58,69.02) 66.86,66.74 74.48,66.74 v1(76.64,64.58) ; v1(41.46,33.84) 42.73,35.11 44,35.11 45.02,36.13 46.42,36.13 ; L1401.1 81.6,55.43 82.74,56.58 84.01,56.58 v1(84.52,56.07) 84.76,56.07 L1402.2 ; C1436.1 C1435.1 88.32,63.94 88.63,64.25 v1(88.63,64.83) 88.88,65.08 R1450.1
  L6_INT_2 w0.254: v1(52.39,41.9) 53.91,43.42 59.8,43.42 60.51,44.13 v1(62.17,44.13) 63.05,44.13 v1(65.85,41.34)
  L6_INT_2 w0.381: v1(56.45,86.3) 56.83,85.91 56.83,82.1 60.64,78.29 60.64,77.79 61.15,77.28 v1(61.15,73.85) ; 48.45,41.34 51.83,41.34 v1(52.39,41.9)
  L8_INT_3 w0.254: v1(15.18,13.91) 15.18,14.66 16.11,15.59 18.32,15.59
  L8_INT_3 w0.381: v1(89.22,45.66) 89.22,48.2 88.84,48.58 88.84,54.8 87.31,56.32 86.55,56.32 86.3,56.07 v1(84.52,56.07) 84.52,56.96 82.56,58.91 82.56,62.42 80.73,64.25 80.73,64.99 v1(80.83,65.09)
  BOTTOM w0.254: 45.02,79.07 C202.1 45.48,78.64 ; 52.89,75.93 C203.1 52.44,75.49 ; 5.4,82.62 6.54,83.76 10.61,83.76 R1505.1 ; v1(64.58,69.02) 64.58,68.27 R1342.1 ; v3(18.35,57.59) 24.95,57.59 27.37,55.18 27.37,50.23 26.66,49.52 20.43,49.52 19.93,49.01 19.93,46.49 20.88,45.54 C1529.1 R1527.1 ; C204.1 51.5,86.12 ; C204.1 51.07,85.66 ; C204.1 51.5,85.2 ; R1507.1 R1506.1 ; R1507.1 4.97,81.6 ; R1507.1 5.4,82.06 ; R1506.1 5.4,80.12 ; R1506.1 4.97,80.58 ; R1529.1 C1527.1 60.76,46.79 60.51,46.54 60.51,45.4 61.8,44.12 62.16,44.12 v1(62.17,44.13) ; v2(41.63,62.33) 41.62,62.34 41,62.34 C192.1 40.32,62.29 39.94,61.91 35.75,61.91 34.99,62.67 34.99,64.07 34.33,64.73 32.65,64.73 31.69,65.7 31.69,66.74 30.09,68.34 30.09,75.2 29.15,76.14 ; R1508.1 v1(9.59,61.78) 9.2,61.78 R1510.1 ; 45.14,85.2 C205.1 ; C205.1 45.57,85.66 ; C205.1 45.14,86.12 ; 26.22,81.22 26.22,81.85 25.72,82.36 R601.1 ; C1515.1 9.59,79.69 v1(9.4,79.51) ; C201.1 42.29,80.58 ; C201.1 41.73,81.2 ; C201.1 41.73,79.96 ; v1(65.85,41.34) 66.23,41.72 R1523.1 R1522.1 66.23,40.83 65.64,40.24 U1501.1 ; R1527.1 21.15,44.76 21.02,44.89 20,44.89 19.65,44.54 19.65,43.85 21.01,42.49 R1526.1 ; R1527.1 23.81,44.76 24.52,45.47 U1502.3 24.52,47.31 24.77,47.56 26.61,47.56 26.86,47.31 26.86,42.23 25.21,40.58 25.21,39.43 24.96,39.19 R1528.1 ; 9.49,56.96 v1(9.46,56.99) ; v1(9.46,78.7) 9.49,78.68 C1509.1 ; R1525.1 52.13,41.59 52.39,41.85 v1(52.39,41.9) ; v1(84.52,56.07) 85.15,56.07 85.53,55.68 R1456.1 R1454.1 ; v1(89.22,45.66) 88.33,44.77 v1(83.76,44.77)
  BOTTOM w0.381: v1(41.46,33.84) 41.59,33.72 C1521.1 44.89,33.72 R1531.1 ; 19.37,82.74 C605.1 22.93,83.5 v1(22.92,83.5) ; R1519.1 R1520.1 C1522.1 47.43,42.17 v1(47.5,42.1) 47.5,41.78 R1521.1 R1524.1 ; R1344.1 91.25,72.71 v1(92.77,74.23) 92.79,74.23 93.17,73.85 96.34,73.85 L1307.2 97.98,72.85 98.36,72.47 98.36,70.67 97.22,69.53 95.31,69.53 90.61,64.83 v1(88.63,64.83) 88.12,65.34 87.18,65.34 86.58,64.73 85.25,64.73 84.77,65.21 82.61,65.21 82.12,65.71 81.45,65.71 v1(80.83,65.09) 80.33,64.58 v1(76.64,64.58) ; 17.97,82.87 17.97,85.79 21.41,89.22 C606.1 23.64,89.22 v1(23.66,89.2) 24.62,89.2 v1(24.64,89.18) 25.51,89.18 C607.1 25.72,87.83 R602.1 R603.1 27.24,86.8 29.91,84.13 C604.1 29.91,80.97
  vias: v1(3.24,57.34) v1(3.24,56.53) v1(3.24,55.69) v1(3.24,54.8) v1(3.62,80.71) v1(3.62,79.82) v1(3.62,78.93) v1(3.62,78.04) v1(31.69,81.09) v1(31.69,80.02) v1(31.69,78.96) v1(31.69,78.17) v1(41.34,87.18) v1(41.34,86.3) v1(41.72,88.07) v1(42.23,86.3) v1(46.8,38.92) v3(18.35,56.7) v3(18.35,55.82)
